# Allegro board TDI_KU5P_QSFP28_CXP_V001-20240805_1841.brd (continued)
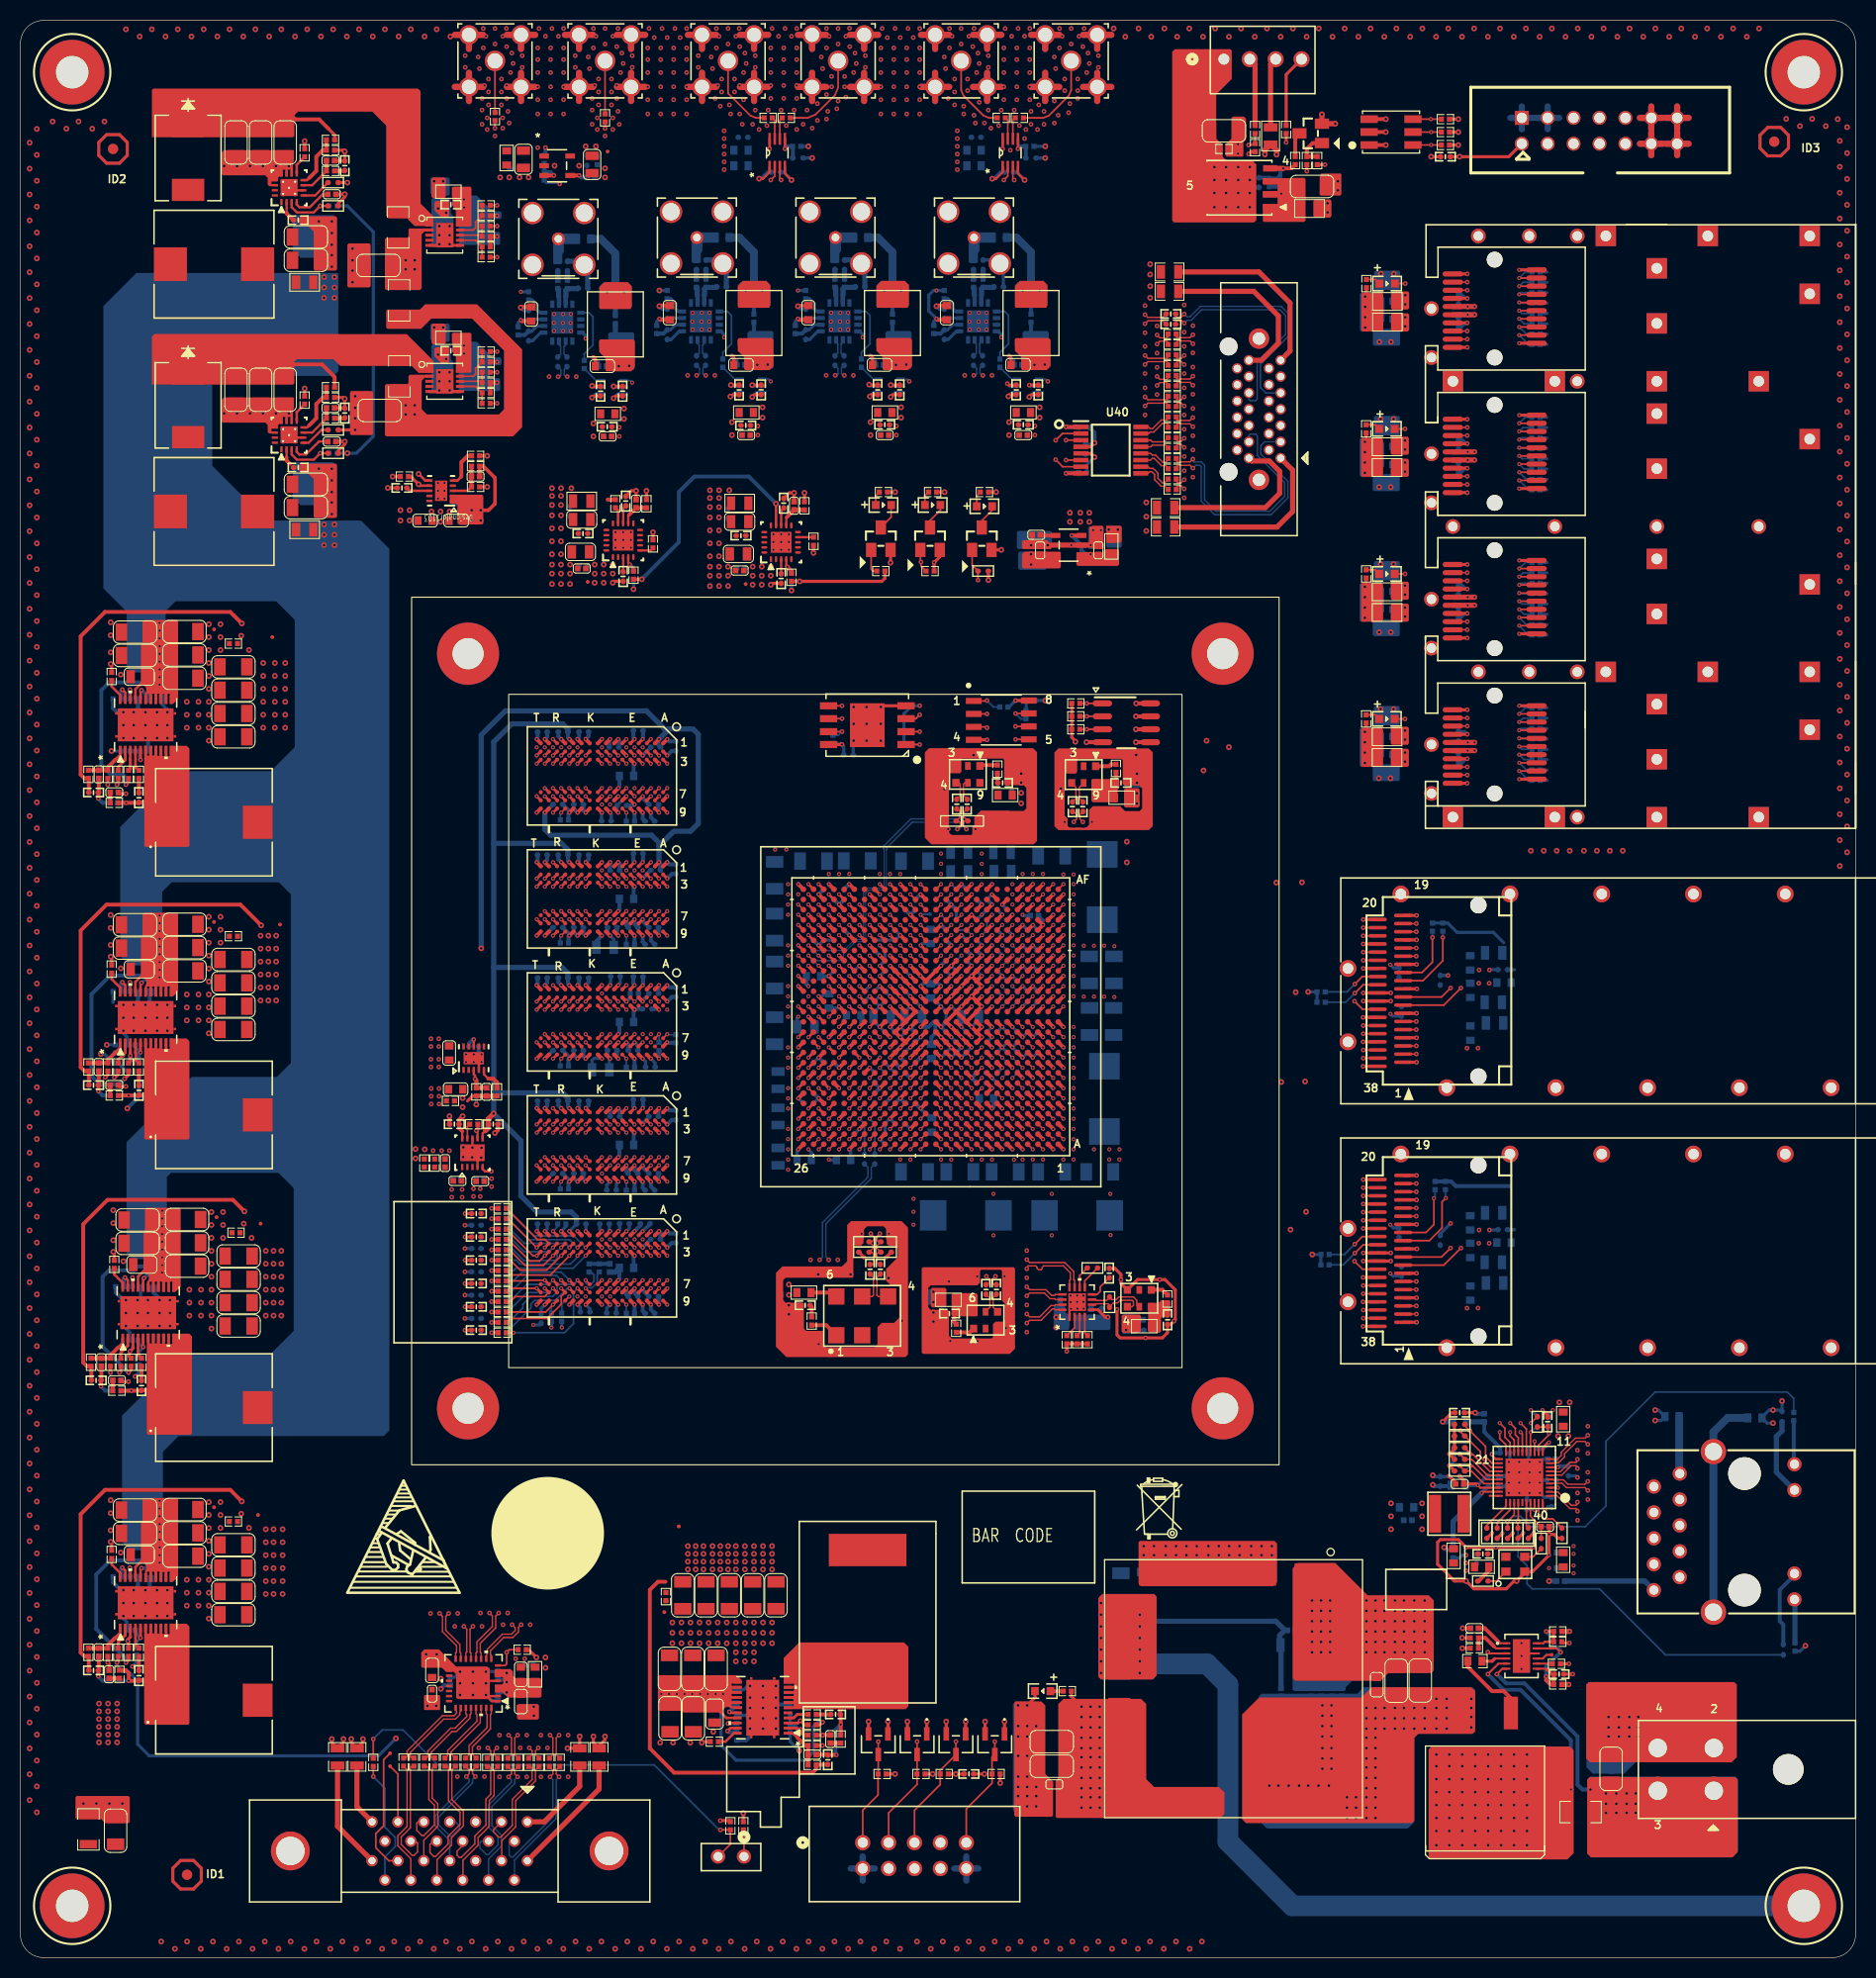
[diagram p0: board, top side]
## Routing (per net, layer and track width the routed paths; a pad name or vN(x,y) marks a point on that pad's centre or on a via; arc(x,y) is an arc through that point) (continued)
  BOTTOM w0.14: v1(78.29,98.28) R48.1 TP10.1 R50.1 ; 84.66,108.82 84.66,109.01 87.34,111.68 92.2,111.68 92.55,111.34 92.55,110.92 v2(92.78,110.68)
CHA_DDR4_CLK1_P_200M: length 30.1
  TOP w0.14: v2(91.9,110.68) 92.17,110.96 92.17,111.33 92.02,111.48 R51.2 92.13,111.82 92.13,112.5 92,112.63 91.87,112.63 C39.2
  TOP w0.17: U1.V24 v1(78.29,97.28)
  BOTTOM w0.102: 84.99,108.76 84.99,108.73 84.93,108.67 84.93,105 84.63,104.7 83.18,104.7 82.9,104.41 82.9,99.92 82.62,99.64 81.9,99.64 80.74,98.48 80.74,98.12 80.39,97.78 R49.1
  BOTTOM w0.14: v2(91.9,110.68) 92.09,110.68 92.22,110.81 92.22,111.2 92.06,111.36 87.48,111.36 84.99,108.87 84.99,108.76 ; R49.1 TP9.1 77.81,97.78 R48.2 77.81,97.76 v1(78.29,97.28)
CHA_DEBUG_LED0: length 64.5
  TOP w0.17: R32.2 88.33,136.48 v2(88.33,136.88) 88.27,136.94 Q2.1 ; U1.F12 v1(91.3,84.27)
  ART05 w0.122: v1(91.3,84.27) 91.76,84.73 94.53,84.73 94.86,85.06 94.86,104.55 95.06,104.75 95.47,104.75 96.1,105.38 96.1,106.58 97.49,107.96 97.49,118.33 98.29,119.13 98.29,124.64 88.33,134.59 v2(88.33,136.88)
CHA_FAN_FG: length 112.2
  TOP w0.17: v2(120.46,177.77) 120.49,177.8 120.98,177.8 R391.2 R394.1 ; U1.J13 v1(90.3,87.27)
  ART03 w0.122: v1(90.3,87.27) 89.73,87.85 89.73,93.57 89.98,93.83 90.49,93.83 90.87,94.21 90.87,94.59 90.99,94.72 91.51,94.72 91.76,94.97 91.76,95.61 91.88,95.73 92.4,95.73 92.78,96.11 92.78,96.65 92.9,96.78 97.63,96.78 97.75,96.9 97.75,106.58 99.81,108.64 99.81,124.23 112.26,136.68 112.26,172.82 118.1,178.66 119.57,178.66 v2(120.46,177.77)
CHA_FAN_PWM: length 112.5
  TOP w0.17: U1.H13 v1(90.3,86.28)
  TOP w0.305: R778.1 v2(124.15,178.03)
  ART03 w0.122: v1(90.3,86.28) 90.67,86.64 90.67,92.48 90.87,92.68 90.87,93.7 91,93.83 91.63,93.83 91.76,93.95 91.76,94.46 92.01,94.72 92.52,94.72 92.78,94.97 92.78,95.53 93.03,95.78 100.68,95.78 100.8,95.9 100.8,121.21 101.58,121.99 101.58,125.29 112.82,136.52 112.82,162.64 122.88,172.69 122.88,175.62 124.15,176.89 v2(124.15,178.03)
CHA_FAN_PWREN: length 119.2
  TOP w0.17: U1.H12 v1(91.3,86.28)
  TOP w0.305: R392.2 v2(127.96,175.85)
  ART03 w0.122: v1(91.3,86.28) 90.92,86.65 90.92,92.1 91.76,92.94 91.76,93.45 92.01,93.7 92.4,93.7 92.78,94.08 92.78,94.53 93.03,94.78 107.57,94.78 110.94,98.15 110.94,133.73 113.3,136.09 113.3,162.23 119.67,168.61 126.3,168.61 127.45,169.75 127.45,172.67 127.96,173.18 v2(127.96,175.85)
CHA_FPGA_DDR4_C1_A0: length 121.6
  TOP w0.17: R70.1 47.97,69.42 49.49,67.89 51.29,67.89 v1(52.24,68.84)
  TOP w0.267: U7.P3 v1(52.24,80.91) ; U6.P3 v1(52.24,117.1) ; U8.P3 v1(52.24,92.97) ; U5.P3 v1(52.24,105.04) ; U1.V21 v1(81.29,97.28) ; U9.P3 v1(52.24,68.84)
  ART05 w0.122: v1(52.24,117.1) 52.24,116.59 50.27,114.62 50.27,111.82 50.39,111.7 50.54,111.7 50.66,111.57 50.66,111.33 50.54,111.21 50.39,111.21 50.27,111.09 50.27,107.28 50.6,106.96 50.83,106.96 51.84,105.95 51.84,105.59 52.06,105.37 52.24,105.19 v1(52.24,105.04) 52.24,104.52 50.27,102.56 50.27,101.41 50.39,101.29 50.54,101.29 50.66,101.17 50.66,100.92 50.54,100.8 50.39,100.8 50.27,100.68 50.27,99.75 50.39,99.63 50.54,99.63 50.66,99.51 50.66,99.26 50.54,99.14 50.39,99.14 50.27,99.02 50.27,95.22 50.6,94.89 50.83,94.89 51.84,93.89 51.84,93.53 52.06,93.31 52.24,93.13 v1(52.24,92.97) 52.24,92.46 50.27,90.49 50.27,89.34 50.39,89.22 50.54,89.22 50.66,89.1 50.66,88.86 50.54,88.73 50.39,88.73 50.27,88.61 50.27,87.69 50.39,87.57 50.54,87.57 50.66,87.44 50.66,87.2 50.54,87.08 50.39,87.08 50.27,86.96 50.27,83.15 50.6,82.83 50.83,82.83 51.84,81.82 51.84,81.46 52.06,81.24 52.24,81.06 v1(52.24,80.91) 52.24,80.39 50.27,78.43 50.27,77.23 50.39,77.1 50.54,77.1 50.66,76.98 50.66,76.74 50.54,76.62 50.39,76.62 50.27,76.5 50.27,75.62 50.39,75.5 50.54,75.5 50.66,75.38 50.66,75.13 50.54,75.01 50.39,75.01 50.27,74.89 50.27,71.09 50.6,70.76 50.83,70.76 51.84,69.76 51.84,69.24 v1(52.24,68.84)
  ART12 w0.165: 51.84,119.95 51.84,117.5 v1(52.24,117.1)
  ART12 w0.191: v1(81.29,97.28) 81.79,97.78 81.79,107.22 81.48,107.54 81.21,107.54 81.07,107.4 80.8,107.4 80.53,107.67 80.53,107.94 80.67,108.08 80.67,108.35 80.4,108.62 80.13,108.62 79.99,108.48 79.72,108.48 79.45,108.75 79.45,109.02 79.59,109.16 79.59,109.43 79.32,109.7 79.05,109.7 78.91,109.56 78.65,109.56 78.38,109.83 78.38,110.1 78.51,110.23 78.51,110.5 78.24,110.77 77.97,110.77 77.84,110.64 77.57,110.64 77.3,110.91 77.3,111.18 77.43,111.31 77.43,111.58 66.16,122.86 54.63,122.86 51.84,120.07 51.84,119.95
CHA_FPGA_DDR4_C1_A1: length 122
  TOP w0.267: U9.P7 v1(52.24,66.44) ; U5.P7 v1(52.24,102.64) ; U6.P7 v1(52.24,114.7) ; U1.U22 v1(80.29,96.28) ; U8.P7 v1(52.24,90.57) ; U7.P7 v1(52.24,78.51)
  ART10 w0.191: v1(80.29,96.28) 79.79,96.78 79.79,109.35 75.69,113.45 75.42,113.45 74.4,112.43 74.13,112.43 73.86,112.7 73.86,112.96 74.88,113.99 74.88,114.26 74.61,114.53 74.34,114.53 73.32,113.5 73.05,113.5 72.78,113.77 72.78,114.04 73.81,115.07 73.81,115.34 73.46,115.68 73.19,115.68 72.18,114.67 71.91,114.67 71.64,114.94 71.64,115.21 72.57,116.13 72.57,116.4 72.28,116.69 64.99,116.69 64.49,116.19 53.72,116.19 v1(52.24,114.7)
  ART12 w0.122: v1(52.24,66.44) 52.24,67.11 51.83,67.51 51.4,67.51 50.18,68.73 50.18,71.75 50.3,71.87 50.39,71.87 50.51,71.99 50.51,72.23 50.39,72.36 50.3,72.36 50.18,72.48 50.18,72.72 50.3,72.84 50.39,72.84 50.51,72.97 50.51,73.21 50.39,73.33 50.3,73.33 50.18,73.45 50.18,76.28 50.56,76.66 50.99,76.66 51.84,77.5 51.84,77.95 52.06,78.17 52.24,78.35 v1(52.24,78.51) 52.24,79.17 51.83,79.58 51.4,79.58 50.18,80.8 50.18,88.34 50.56,88.72 50.99,88.72 51.84,89.57 51.84,90.01 52.06,90.24 52.24,90.41 v1(52.24,90.57) 52.24,91.24 51.83,91.64 51.4,91.64 50.18,92.86 50.18,96.01 50.3,96.13 50.46,96.13 50.59,96.26 50.59,96.5 50.46,96.62 50.3,96.62 50.18,96.74 50.18,96.99 50.3,97.11 50.46,97.11 50.59,97.23 50.59,97.48 50.46,97.6 50.3,97.6 50.18,97.72 50.18,100.41 50.56,100.79 50.99,100.79 51.84,101.63 51.84,102.08 52.06,102.3 52.24,102.48 v1(52.24,102.64) 52.24,103.3 51.83,103.71 51.4,103.71 50.18,104.93 50.18,112.47 50.56,112.85 50.99,112.85 51.84,113.7 51.84,114.3 v1(52.24,114.7)
  BOTTOM w0.17: v1(52.24,66.44) 51.84,66.04 49.67,66.04 47.97,64.34 R71.1
CHA_FPGA_DDR4_C1_A2: length 117.5
  TOP w0.17: v1(51.44,68.84) 50.91,68.31 49.97,68.31 47.84,70.43 R72.1
  TOP w0.267: U5.R3 v1(51.44,105.04) ; U6.R3 v1(51.44,117.1) ; U9.R3 v1(51.44,68.84) ; U1.Y26 v1(76.29,99.28) ; U7.R3 v1(51.44,80.91) ; U8.R3 v1(51.44,92.97)
  ART05 w0.122: v1(51.44,68.84) 51.04,69.24 51.04,69.76 50.67,70.13 50.23,70.13 49.24,71.12 49.24,71.65 49.36,71.77 49.47,71.77 49.6,71.9 49.6,72.14 49.47,72.26 49.36,72.26 49.24,72.38 49.24,72.63 49.36,72.75 49.47,72.75 49.6,72.87 49.6,73.12 49.47,73.24 49.36,73.24 49.24,73.36 49.24,78.44 51.44,80.63 v1(51.44,80.91) 51.44,81.06 51.26,81.24 51.04,81.46 51.04,81.82 50.67,82.19 50.23,82.19 49.24,83.19 49.24,83.58 49.36,83.7 49.45,83.7 49.57,83.82 49.57,84.06 49.45,84.19 49.36,84.19 49.24,84.31 49.24,84.55 49.36,84.67 49.45,84.67 49.57,84.79 49.57,85.04 49.45,85.16 49.36,85.16 49.24,85.28 49.24,90.5 51.44,92.7 v1(51.44,92.97) 51.44,93.13 51.26,93.3 51.04,93.53 51.04,93.89 50.67,94.26 50.23,94.26 49.24,95.25 49.24,102.57 51.44,104.76 v1(51.44,105.04) 51.44,105.19 51.26,105.37 51.04,105.59 51.04,105.95 50.67,106.32 50.23,106.32 49.24,107.32 49.24,107.85 49.36,107.97 49.47,107.97 49.6,108.09 49.6,108.33 49.47,108.46 49.36,108.46 49.24,108.58 49.24,108.82 49.36,108.94 49.47,108.94 49.6,109.07 49.6,109.31 49.47,109.43 49.36,109.43 49.24,109.55 49.24,114.63 51.44,116.83 v1(51.44,117.1)
  ART12 w0.191: v1(51.44,117.1) 52.18,116.36 64.99,116.36 66.74,114.6 66.74,106.05 66.93,105.86 67.92,105.86 68.11,105.67 68.11,105.29 67.92,105.1 66.93,105.1 66.74,104.91 66.74,104.53 66.93,104.33 67.92,104.33 68.11,104.14 68.11,103.76 67.92,103.57 66.93,103.57 66.74,103.38 66.74,103 66.93,102.81 67.92,102.81 68.11,102.62 68.11,102.24 67.92,102.05 66.93,102.05 66.74,101.86 66.74,101.48 66.93,101.29 67.92,101.29 68.11,101.1 68.11,100.72 67.92,100.52 66.93,100.52 66.74,100.33 66.74,99.94 66.93,99.75 75.58,99.75 76.05,99.28 v1(76.29,99.28)
CHA_FPGA_DDR4_C1_A3: length 119.3
  TOP w0.267: U6.N7 v1(53.04,114.7) ; U1.W23 v1(79.29,98.28) ; U7.N7 v1(53.04,78.51) ; U5.N7 v1(53.04,102.64) ; U8.N7 v1(53.04,90.57) ; U9.N7 v1(53.04,66.44)
  ART10 w0.191: v1(53.04,114.7) 53.04,114.82 53.83,115.61 65.68,115.61 65.87,115.8 65.87,115.91 66.06,116.1 66.44,116.1 66.63,115.91 66.63,115.8 66.82,115.61 67.21,115.61 67.4,115.8 67.4,115.91 67.59,116.1 67.97,116.1 68.16,115.91 68.16,115.8 68.35,115.61 70.13,115.61 74.22,111.52 74.57,111.52 75.52,112.47 75.78,112.47 76.05,112.2 76.05,111.93 75.1,110.98 75.1,110.71 75.37,110.44 75.64,110.44 76.59,111.39 76.86,111.39 77.13,111.12 77.13,110.85 76.18,109.9 76.18,109.63 76.45,109.36 76.72,109.36 77.67,110.31 77.94,110.31 78.21,110.04 78.21,109.77 77.26,108.82 77.26,108.56 77.53,108.29 77.8,108.29 78.67,109.16 78.94,109.16 79.21,108.89 79.21,108.62 78.34,107.75 78.34,107.48 78.79,107.02 78.79,99.07 79.29,98.57 v1(79.29,98.28)
  ART12 w0.122: v1(53.04,114.7) 52.64,114.3 52.64,113.39 51.84,112.59 51.84,111.69 51.71,111.56 51.57,111.56 51.45,111.44 51.45,111.2 51.57,111.07 51.71,111.07 51.83,110.95 51.83,110.71 51.71,110.59 51.57,110.59 51.45,110.46 51.45,110.22 51.57,110.1 51.71,110.1 51.83,109.98 51.83,104.8 53.04,103.59 v1(53.04,102.64) 53.04,102.48 52.86,102.3 52.64,102.08 52.64,101.32 51.84,100.52 51.84,99.63 51.71,99.5 51.57,99.5 51.45,99.37 51.45,99.13 51.57,99.01 51.71,99.01 51.83,98.89 51.83,98.64 51.71,98.52 51.57,98.52 51.45,98.4 51.45,98.15 51.57,98.03 51.71,98.03 51.83,97.91 51.83,97.53 51.71,97.41 51.57,97.41 51.45,97.29 51.45,97.04 51.57,96.92 51.71,96.92 51.83,96.8 51.83,96.56 51.71,96.43 51.57,96.43 51.45,96.31 51.45,96.07 51.57,95.95 51.71,95.95 51.84,95.82 51.84,92.73 53.04,91.53 v1(53.04,90.57) 53.04,90.41 52.86,90.24 52.64,90.01 52.64,89.26 51.84,88.46 51.84,86.59 51.71,86.46 51.57,86.46 51.45,86.33 51.45,86.09 51.57,85.97 51.71,85.97 51.83,85.85 51.83,85.47 51.71,85.35 51.57,85.35 51.45,85.22 51.45,84.98 51.57,84.86 51.71,84.86 51.83,84.74 51.83,84.49 51.71,84.37 51.57,84.37 51.45,84.25 51.45,84 51.57,83.88 51.71,83.88 51.84,83.75 51.84,80.66 53.04,79.46 v1(53.04,78.51) 53.04,78.35 52.86,78.17 52.64,77.95 52.64,77.19 51.84,76.39 51.84,75.5 51.71,75.37 51.57,75.37 51.45,75.24 51.45,75 51.57,74.88 51.71,74.88 51.83,74.76 51.83,74.51 51.71,74.39 51.57,74.39 51.45,74.27 51.45,74.02 51.57,73.9 51.71,73.9 51.83,73.78 51.83,73.54 51.71,73.42 51.57,73.42 51.45,73.29 51.45,73.05 51.57,72.93 51.71,72.93 51.84,72.8 51.84,68.6 53.04,67.4 v1(53.04,66.44)
  BOTTOM w0.17: R73.1 48.17,65.35 49.72,66.9 52.58,66.9 v1(53.04,66.44)
CHA_FPGA_DDR4_C1_A4: length 120.4
  TOP w0.17: R74.1 48.05,68.4 49.01,67.44 51.63,67.44 53.03,68.84 v1(53.04,68.84)
  TOP w0.267: U5.N3 v1(53.04,105.04) ; U9.N3 v1(53.04,68.84) ; U1.V19 v1(83.29,97.28) ; U7.N3 v1(53.04,80.91) ; U6.N3 v1(53.04,117.1) ; U8.N3 v1(53.04,92.97)
  ART05 w0.122: v1(53.04,68.84) 52.64,69.24 52.64,70.06 51.84,70.86 51.84,71.84 51.72,71.96 51.6,71.96 51.48,72.08 51.48,72.32 51.6,72.45 51.72,72.45 51.84,72.57 51.84,72.81 51.72,72.93 51.6,72.93 51.48,73.05 51.48,73.3 51.6,73.42 51.72,73.42 51.84,73.54 51.84,73.79 51.72,73.91 51.6,73.91 51.48,74.03 51.48,74.27 51.6,74.4 51.72,74.4 51.84,74.52 51.84,74.76 51.72,74.88 51.6,74.88 51.48,75.01 51.48,75.25 51.6,75.37 51.72,75.37 51.84,75.49 51.84,78.9 53.04,80.1 v1(53.04,80.91) 53.04,81.06 52.86,81.24 52.64,81.46 52.64,82.12 51.84,82.92 51.84,84.8 51.72,84.92 51.55,84.92 51.42,85.04 51.42,85.29 51.55,85.41 51.72,85.41 51.84,85.53 51.84,85.78 51.72,85.9 51.55,85.9 51.42,86.02 51.42,86.26 51.55,86.38 51.72,86.38 51.84,86.51 51.84,86.75 51.72,86.87 51.55,86.87 51.42,86.99 51.42,87.24 51.55,87.36 51.72,87.36 51.84,87.48 51.84,90.97 53.04,92.17 v1(53.04,92.97) 53.04,93.13 52.86,93.3 52.64,93.53 52.64,94.19 51.84,94.99 51.84,96.86 51.72,96.99 51.55,96.99 51.42,97.11 51.42,97.35 51.55,97.47 51.72,97.47 51.84,97.6 51.84,97.84 51.72,97.96 51.55,97.96 51.42,98.08 51.42,98.33 51.55,98.45 51.72,98.45 51.84,98.57 51.84,98.82 51.72,98.94 51.55,98.94 51.42,99.06 51.42,99.3 51.55,99.43 51.72,99.43 51.84,99.55 51.84,103.03 53.04,104.23 v1(53.04,105.04) 53.04,105.19 52.86,105.37 52.64,105.59 52.64,106.25 51.84,107.05 51.84,108.93 51.72,109.05 51.55,109.05 51.42,109.17 51.42,109.42 51.55,109.54 51.72,109.54 51.84,109.66 51.84,109.91 51.72,110.03 51.55,110.03 51.42,110.15 51.42,110.39 51.55,110.51 51.72,110.51 51.84,110.64 51.84,110.88 51.72,111 51.55,111 51.42,111.12 51.42,111.37 51.55,111.49 51.72,111.49 51.84,111.61 51.84,115.1 53.04,116.3 v1(53.04,117.1)
  ART10 w0.165: v1(53.04,117.1) U6.N3 53.44,118.09 53.65,118.3 61.45,118.3 61.66,118.52
  ART10 w0.191: v1(83.29,97.28) 82.79,97.78 82.79,103.73 82.44,104.09 82.44,104.64 82.63,104.83 82.98,104.83 83.17,105.02 83.17,105.4 82.98,105.59 82.63,105.59 82.44,105.78 82.44,106.16 82.63,106.35 82.98,106.35 83.17,106.54 83.17,106.93 82.98,107.12 82.63,107.12 82.44,107.31 82.44,107.69 82.63,107.88 82.98,107.88 83.17,108.07 83.17,108.45 82.98,108.64 82.63,108.64 82.44,108.83 82.44,109.21 82.63,109.4 82.98,109.4 83.17,109.59 83.17,109.97 82.98,110.16 82.63,110.16 82.44,110.35 82.44,111.02 74.95,118.52 61.66,118.52
CHA_FPGA_DDR4_C1_A5: length 119.6
  TOP w0.267: U8.P8 v1(52.24,89.77) ; U7.P8 v1(52.24,77.7) ; U1.T20 v1(82.29,95.28) ; U6.P8 v1(52.24,113.9) ; U9.P8 v1(52.24,65.64) ; U5.P8 v1(52.24,101.83)
  ART10 w0.165: 52.64,112.07 U6.P8 v1(52.24,113.9)
  ART10 w0.191: 52.64,112.07 52.75,111.97 52.75,110.74 53.03,110.46 66.77,110.46 67.15,110.08 67.15,105.96 67.34,105.77 68.91,105.77 69.1,105.58 69.1,105.2 68.91,105.01 67.34,105.01 67.15,104.82 67.15,104.44 67.34,104.25 68.86,104.25 69.05,104.06 69.05,95.94 69.31,95.68 70.47,95.68 70.8,95.35 71.23,95.35 71.56,95.68 72,95.68 72.33,95.35 72.76,95.35 73.09,95.68 73.52,95.68 73.85,95.35 74.28,95.35 74.61,95.68 75.6,95.68 75.81,95.47 75.81,95.06 76.08,94.78 81.79,94.78 v1(82.29,95.28)
  ART12 w0.122: v1(52.24,113.9) 52.24,113.67 51.04,112.47 51.04,111.58 50.92,111.46 50.76,111.46 50.64,111.34 50.64,111.09 50.76,110.97 50.92,110.97 51.04,110.85 51.04,110.61 50.92,110.48 50.76,110.48 50.64,110.36 50.64,110.12 50.76,110 50.92,110 51.04,109.87 51.04,104.83 51.42,104.44 51.6,104.44 52.64,103.41 52.64,102.39 52.24,101.99 v1(52.24,101.83) 52.24,101.6 51.04,100.4 51.04,99.51 50.92,99.39 50.76,99.39 50.64,99.27 50.64,99.03 50.76,98.91 50.92,98.91 51.04,98.78 51.04,98.54 50.92,98.42 50.76,98.42 50.64,98.3 50.64,98.05 50.76,97.93 50.92,97.93 51.04,97.81 51.04,92.77 51.42,92.38 51.6,92.38 52.64,91.34 52.64,90.33 52.24,89.93 v1(52.24,89.77) 52.24,89.54 51.04,88.34 51.04,87.45 50.92,87.33 50.76,87.33 50.64,87.21 50.64,86.96 50.76,86.84 50.92,86.84 51.04,86.72 51.04,86.48 50.92,86.35 50.76,86.35 50.64,86.23 50.64,85.99 50.76,85.87 50.92,85.87 51.04,85.75 51.04,80.7 51.42,80.31 51.6,80.31 52.64,79.28 52.64,78.26 52.24,77.86 v1(52.24,77.7) 52.24,77.47 51.04,76.27 51.04,75.38 50.92,75.26 50.76,75.26 50.64,75.14 50.64,74.9 50.76,74.78 50.92,74.78 51.04,74.65 51.04,74.41 50.92,74.29 50.76,74.29 50.64,74.17 50.64,73.92 50.76,73.8 50.92,73.8 51.04,73.68 51.04,68.64 51.42,68.25 51.6,68.25 52.64,67.21 52.64,66.04 v1(52.24,65.64)
  BOTTOM w0.17: R75.1 47.79,63.32 49.7,65.23 51.83,65.23 v1(52.24,65.64)
CHA_FPGA_DDR4_C1_A6: length 117.8
  TOP w0.267: U7.P2 v1(52.24,81.71) ; U5.P2 v1(52.24,105.84) ; U9.P2 v1(52.24,69.64) ; U1.Y22 v1(80.29,99.28) ; U8.P2 v1(52.24,93.77) ; U6.P2 v1(52.24,117.9)
  ART05 w0.122: v1(52.24,117.9) 52.64,117.5 52.64,116.48 51.04,114.88 51.04,110.87 50.92,110.75 50.68,110.75 50.56,110.63 50.56,110.38 50.68,110.26 50.92,110.26 51.04,110.14 51.04,109.89 50.92,109.77 50.68,109.77 50.56,109.65 50.56,109.41 50.68,109.28 50.92,109.28 51.04,109.16 51.04,107.17 52.24,105.97 v1(52.24,105.84) 52.24,105.68 52.64,105.28 52.64,104.41 51.04,102.81 51.04,98.8 50.92,98.68 50.68,98.68 50.56,98.56 50.56,98.32 50.68,98.19 50.92,98.19 51.04,98.07 51.04,97.83 50.92,97.71 50.68,97.71 50.56,97.59 50.56,97.34 50.68,97.22 50.92,97.22 51.04,97.1 51.04,95.1 52.24,93.9 v1(52.24,93.77) 52.24,93.61 52.64,93.21 52.64,92.35 51.04,90.75 51.04,86.74 50.92,86.62 50.68,86.62 50.56,86.5 50.56,86.25 50.68,86.13 50.92,86.13 51.04,86.01 51.04,85.76 50.92,85.64 50.68,85.64 50.56,85.52 50.56,85.28 50.68,85.15 50.92,85.15 51.04,85.03 51.04,83.04 52.24,81.84 v1(52.24,81.71) 52.24,81.55 52.64,81.15 52.64,80.28 51.04,78.68 51.04,74.67 50.92,74.55 50.68,74.55 50.56,74.43 50.56,74.19 50.68,74.06 50.92,74.06 51.04,73.94 51.04,73.7 50.92,73.58 50.68,73.58 50.56,73.46 50.56,73.21 50.68,73.09 50.92,73.09 51.04,72.97 51.04,70.97 52.24,69.77 v1(52.24,69.64)
  ART12 w0.165: 52.64,119.72 U6.P2 v1(52.24,117.9)
  ART12 w0.191: 52.64,119.72 52.64,120.06 54.78,122.2 65.93,122.2 76.47,111.66 76.47,110.82 77.43,109.86 77.43,109.59 76.78,108.95 76.78,108.68 77.05,108.41 77.32,108.41 77.97,109.05 78.24,109.05 78.51,108.78 78.51,108.51 77.86,107.87 77.86,107.6 78.13,107.33 78.4,107.33 79.05,107.97 79.31,107.97 80.79,106.5 80.79,99.78 v1(80.29,99.28)
  BOTTOM w0.17: v1(52.24,69.64) 51.84,69.24 49.39,69.24 48.2,70.43 R76.1
CHA_FPGA_DDR4_C1_A7: length 118.9
  TOP w0.17: R77.1 48.05,64.34 48.54,64.83 51.41,64.83 51.82,65.24 U9.R8
  TOP w0.267: U1.P25 v1(77.29,93.28) ; U9.R8 v1(51.44,65.64) ; U8.R8 v1(51.44,89.77) ; U5.R8 v1(51.44,101.83) ; U7.R8 v1(51.44,77.7) ; U6.R8 v1(51.44,113.9)
  ART10 w0.165: v1(51.44,113.9) U6.R8 51.84,112.01
  ART10 w0.191: v1(77.29,93.28) 77,93.28 76.46,93.83 65.99,93.83 65.8,94.02 65.8,95.44 65.99,95.63 67.54,95.63 67.73,95.82 67.73,96.2 67.54,96.39 65.99,96.39 65.8,96.58 65.8,96.96 65.99,97.15 67.54,97.15 67.73,97.34 67.73,97.72 67.54,97.91 65.99,97.91 65.8,98.11 65.8,109.02 65.57,109.25 52.11,109.25 51.7,109.65 51.7,111.87 51.84,112.01
  ART12 w0.122: v1(51.44,113.9) 51.44,113.76 50.87,113.18 50.43,113.18 49.8,112.55 49.8,104.83 51.84,102.79 51.84,102.39 51.44,101.99 v1(51.44,101.83) 51.44,101.69 50.87,101.12 50.43,101.12 49.8,100.48 49.8,92.86 50.92,91.74 50.92,91.56 50.7,91.34 50.7,91.17 50.88,91 51.05,91 51.27,91.22 51.44,91.22 51.84,90.82 51.84,90.33 51.44,89.93 v1(51.44,89.77) 51.44,89.63 50.87,89.05 50.43,89.05 49.8,88.42 49.8,80.8 50.92,79.67 50.92,79.5 50.7,79.28 50.7,79.11 50.88,78.93 51.05,78.93 51.27,79.15 51.44,79.15 51.84,78.76 51.84,78.26 51.44,77.86 v1(51.44,77.7) 51.44,77.56 50.87,76.99 50.43,76.99 49.8,76.35 49.8,68.63 50.13,68.3 50.13,68.13 50.09,68.08 50.09,67.91 50.26,67.74 50.43,67.74 50.48,67.78 50.65,67.78 50.82,67.61 50.82,67.44 50.78,67.39 50.78,67.22 50.95,67.05 51.12,67.05 51.17,67.09 51.34,67.09 51.84,66.59 51.84,66.04 v1(51.44,65.64)
CHA_FPGA_DDR4_C1_A8: length 119.9
  TOP w0.17: U9.R2 51.84,70.05 51.45,70.43 50.69,70.43 50.69,70.45 R78.1
  TOP w0.267: v1(51.44,69.64) U9.R2 ; U7.R2 v1(51.44,81.71) ; U1.W20 v1(82.29,98.28) ; U6.R2 v1(51.44,117.9) ; U5.R2 v1(51.44,105.84) ; U8.R2 v1(51.44,93.77)
  ART05 w0.122: v1(51.44,69.64) 51.44,69.67 50.63,70.48 50.38,70.48 49.9,70.97 49.9,74.86 49.78,74.98 49.69,74.98 49.57,75.1 49.57,75.34 49.69,75.47 49.78,75.47 49.9,75.59 49.9,75.83 49.78,75.95 49.69,75.95 49.57,76.08 49.57,76.32 49.69,76.44 49.78,76.44 49.9,76.56 49.9,78.54 51.84,80.47 51.84,81.15 51.44,81.55 v1(51.44,81.71) 51.44,81.74 50.63,82.55 50.38,82.55 49.9,83.03 49.9,85.95 49.78,86.07 49.69,86.07 49.57,86.19 49.57,86.43 49.69,86.56 49.78,86.56 49.9,86.68 49.9,86.92 49.78,87.04 49.69,87.04 49.57,87.16 49.57,87.41 49.69,87.53 49.78,87.53 49.9,87.65 49.9,87.9 49.78,88.02 49.69,88.02 49.57,88.14 49.57,88.38 49.69,88.51 49.78,88.51 49.9,88.63 49.9,90.6 51.84,92.54 51.84,93.21 51.44,93.61 v1(51.44,93.77) 51.44,93.8 50.63,94.62 50.38,94.62 49.9,95.1 49.9,98.01 49.78,98.13 49.69,98.13 49.57,98.25 49.57,98.5 49.69,98.62 49.78,98.62 49.9,98.74 49.9,98.99 49.78,99.11 49.69,99.11 49.57,99.23 49.57,99.47 49.69,99.6 49.78,99.6 49.9,99.72 49.9,99.96 49.78,100.08 49.69,100.08 49.57,100.21 49.57,100.45 49.69,100.57 49.78,100.57 49.9,100.69 49.9,102.67 51.84,104.6 51.84,105.28 51.44,105.68 v1(51.44,105.84) 51.44,105.87 50.63,106.68 50.38,106.68 49.9,107.16 49.9,110.08 49.78,110.2 49.69,110.2 49.57,110.32 49.57,110.56 49.69,110.69 49.78,110.69 49.9,110.81 49.9,111.05 49.78,111.17 49.69,111.17 49.57,111.29 49.57,111.54 49.69,111.66 49.78,111.66 49.9,111.78 49.9,112.03 49.78,112.15 49.69,112.15 49.57,112.27 49.57,112.51 49.69,112.64 49.78,112.64 49.9,112.76 49.9,114.73 51.84,116.67 51.84,117.5 v1(51.44,117.9)
  ART12 w0.165: v1(51.44,117.9) 51.43,117.9 51.04,118.29 51.04,119.81
  ART12 w0.191: 51.04,119.81 51.04,120.09 54.42,123.47 66.49,123.47 82.79,107.16 82.79,98.78 v1(82.29,98.28)
CHA_FPGA_DDR4_C1_A9: length 117.9
  TOP w0.17: v1(51.44,66.44) 49.89,66.44 49.82,66.37 R79.1
  TOP w0.267: U6.R7 v1(51.44,114.7) ; U5.R7 v1(51.44,102.64) ; U8.R7 v1(51.44,90.57) ; U7.R7 v1(51.44,78.51) ; U1.P26 v1(76.29,93.28) ; U9.R7 v1(51.44,66.44)
  ART10 w0.165: v1(51.44,114.7) 51.04,114.3 51.04,112.01
  ART10 w0.191: v1(76.29,93.28) 75.79,92.78 74.98,92.78 74.56,93.19 74.05,93.19 73.86,93 73.86,92.54 73.67,92.35 73.29,92.35 73.1,92.54 73.1,93 72.91,93.19 72.53,93.19 72.34,93 72.34,92.54 72.15,92.35 71.76,92.35 71.57,92.54 71.57,93 71.38,93.19 71,93.19 70.81,93 70.81,92.54 70.62,92.35 70.24,92.35 70.05,92.54 70.05,93 69.86,93.19 69.48,93.19 69.29,93 69.29,92.54 69.1,92.35 68.72,92.35 68.53,92.54 68.53,93 68.34,93.19 65.45,93.19 65.17,93.47 65.17,108.2 64.86,108.51 51.27,108.51 51.04,108.74 51.04,112.01
  ART12 w0.122: v1(51.44,114.7) 51.04,114.3 51.04,113.74 50.82,113.51 50.26,113.51 49.44,112.7 49.44,104.63 v1(51.44,102.64) 51.04,102.23 51.04,101.67 50.82,101.45 50.26,101.45 49.44,100.63 49.44,91.92 49.72,91.65 49.89,91.65 49.98,91.74 50.16,91.74 50.33,91.57 50.33,91.4 50.23,91.3 50.23,91.13 50.8,90.57 v1(51.44,90.57) 51.04,90.17 51.04,89.61 50.82,89.38 50.26,89.38 49.44,88.57 49.44,79.86 49.72,79.58 49.89,79.58 49.98,79.68 50.16,79.68 50.33,79.51 50.33,79.33 50.23,79.24 50.23,79.07 50.8,78.51 v1(51.44,78.51) 51.04,78.1 51.04,77.54 50.82,77.32 50.26,77.32 49.44,76.5 49.44,68.1 50.58,66.96 50.58,66.79 50.39,66.59 50.39,66.42 50.56,66.24 50.73,66.24 50.93,66.44 v1(51.44,66.44)
CHA_FPGA_DDR4_C1_A10: length 121.6
  TOP w0.17: R80.1 48.09,66.95 51.98,66.95 53.84,68.81 v1(53.84,68.84)
  TOP w0.267: U8.M3 v1(53.84,92.97) ; U7.M3 v1(53.84,80.91) ; U6.M3 v1(53.84,117.1) ; U9.M3 v1(53.84,68.84) ; U1.U20 v1(82.29,96.28) ; U5.M3 v1(53.84,105.04)
  ART05 w0.122: v1(53.84,68.84) 53.44,69.24 53.44,71.88 53.32,72 53.12,72 53,72.12 53,72.37 53.12,72.49 53.32,72.49 53.44,72.61 53.44,72.85 53.32,72.98 53.12,72.98 53,73.1 53,73.34 53.12,73.46 53.32,73.46 53.44,73.59 53.44,73.83 53.32,73.95 53.12,73.95 53,74.07 53,74.32 53.12,74.44 53.32,74.44 53.44,74.56 53.44,74.8 53.32,74.93 53.12,74.93 53,75.05 53,75.29 53.12,75.41 53.32,75.41 53.44,75.54 53.44,79 53.84,79.4 v1(53.84,80.91) 53.84,81.06 53.66,81.24 53.44,81.46 53.44,83.86 53.32,83.98 53.12,83.98 53,84.11 53,84.35 53.12,84.47 53.32,84.47 53.44,84.59 53.44,84.84 53.32,84.96 53.12,84.96 53,85.08 53,85.33 53.12,85.45 53.32,85.45 53.44,85.57 53.44,85.81 53.32,85.94 53.12,85.94 53,86.06 53,86.3 53.12,86.42 53.32,86.42 53.44,86.54 53.44,86.79 53.32,86.91 53.12,86.91 53,87.03 53,87.28 53.12,87.4 53.32,87.4 53.44,87.52 53.44,91.07 53.84,91.47 v1(53.84,92.97) 53.84,93.13 53.66,93.3 53.44,93.53 53.44,96.89 53.32,97.01 53.07,97.01 52.95,97.13 52.95,97.38 53.07,97.5 53.32,97.5 53.44,97.62 53.44,97.87 53.32,97.99 53.07,97.99 52.95,98.11 52.95,98.35 53.07,98.48 53.32,98.48 53.44,98.6 53.44,98.84 53.32,98.96 53.07,98.96 52.95,99.08 52.95,99.33 53.07,99.45 53.32,99.45 53.44,99.57 53.44,103.13 53.84,103.53 v1(53.84,105.04) 53.84,105.19 53.66,105.37 53.44,105.59 53.44,108.96 53.32,109.08 53.07,109.08 52.95,109.2 52.95,109.44 53.07,109.56 53.32,109.56 53.44,109.69 53.44,109.93 53.32,110.05 53.07,110.05 52.95,110.17 52.95,110.42 53.07,110.54 53.32,110.54 53.44,110.66 53.44,110.91 53.32,111.03 53.07,111.03 52.95,111.15 52.95,111.39 53.07,111.52 53.32,111.52 53.44,111.64 53.44,115.2 53.84,115.6 v1(53.84,117.1)
  ART10 w0.165: 63.93,117.66 63.77,117.5 U6.M3 v1(53.84,117.1)
  ART10 w0.191: v1(82.29,96.28) 81.79,96.78 81.79,110.83 81.62,111.01 81.35,111.01 80.7,110.36 80.43,110.36 80.16,110.63 80.16,110.9 80.81,111.54 80.81,111.81 80.54,112.08 80.27,112.08 79.63,111.44 79.36,111.44 79.09,111.71 79.09,111.98 79.73,112.62 79.73,112.89 79.46,113.16 79.19,113.16 78.55,112.52 78.28,112.52 78.01,112.79 78.01,113.05 78.65,113.7 78.65,113.97 74.69,117.93 64.2,117.93 63.93,117.66
CHA_FPGA_DDR4_C1_A11: length 116.9
  TOP w0.17: v1(50.64,69.64) 47.81,72.47 R81.1
  TOP w0.267: U6.T2 v1(50.64,117.9) ; U7.T2 v1(50.64,81.71) ; U9.T2 v1(50.64,69.64) ; U5.T2 v1(50.64,105.84) ; U8.T2 v1(50.64,93.77) ; U1.W19 v1(83.29,98.28)
  ART05 w0.122: v1(50.64,69.64) 50.29,69.64 48.96,70.97 48.96,78.64 49.14,78.81 49.14,78.99 48.97,79.16 48.97,79.33 49.14,79.5 49.31,79.5 49.48,79.33 49.65,79.33 51.04,80.72 51.04,81.15 50.64,81.55 v1(50.64,81.71) 50.29,81.71 48.96,83.03 48.96,90.7 49.88,91.62 49.88,91.79 49.72,91.95 49.72,92.12 49.89,92.29 50.06,92.29 50.22,92.14 50.39,92.14 51.04,92.78 51.04,93.21 50.64,93.61 v1(50.64,93.77) 50.29,93.77 48.96,95.1 48.96,102.77 49.14,102.94 49.14,103.12 48.97,103.29 48.97,103.46 49.14,103.63 49.31,103.63 49.48,103.46 49.65,103.46 49.88,103.68 49.88,103.86 49.72,104.01 49.72,104.19 49.89,104.36 50.06,104.36 50.22,104.2 50.39,104.2 51.04,104.85 51.04,105.28 50.64,105.68 v1(50.64,105.84) 50.29,105.84 48.96,107.16 48.96,114.83 49.14,115.01 49.14,115.18 48.97,115.35 48.97,115.52 49.14,115.7 49.31,115.7 49.48,115.53 49.65,115.53 51.04,116.91 51.04,117.5 v1(50.64,117.9)
  ART10 w0.165: v1(50.64,117.9) U6.T2 52.4,118.3 52.64,118.54 52.64,118.91 52.83,119.1 64.01,119.1
  ART10 w0.191: v1(83.29,98.28) 83.79,98.78 83.79,110.48 75.17,119.1 64.01,119.1
